# Altium PCB mother_board.PcbDoc (part 4 of 5)
Units mil, origin at the board's own origin, x right, y up, seen from the top; angles counter-clockwise.
Board outline 5337.7 x 2972.67 mil, 2 copper layers (Top Layer, Bottom Layer); 94 components, 123 nets, 375 pads, 276 vias.
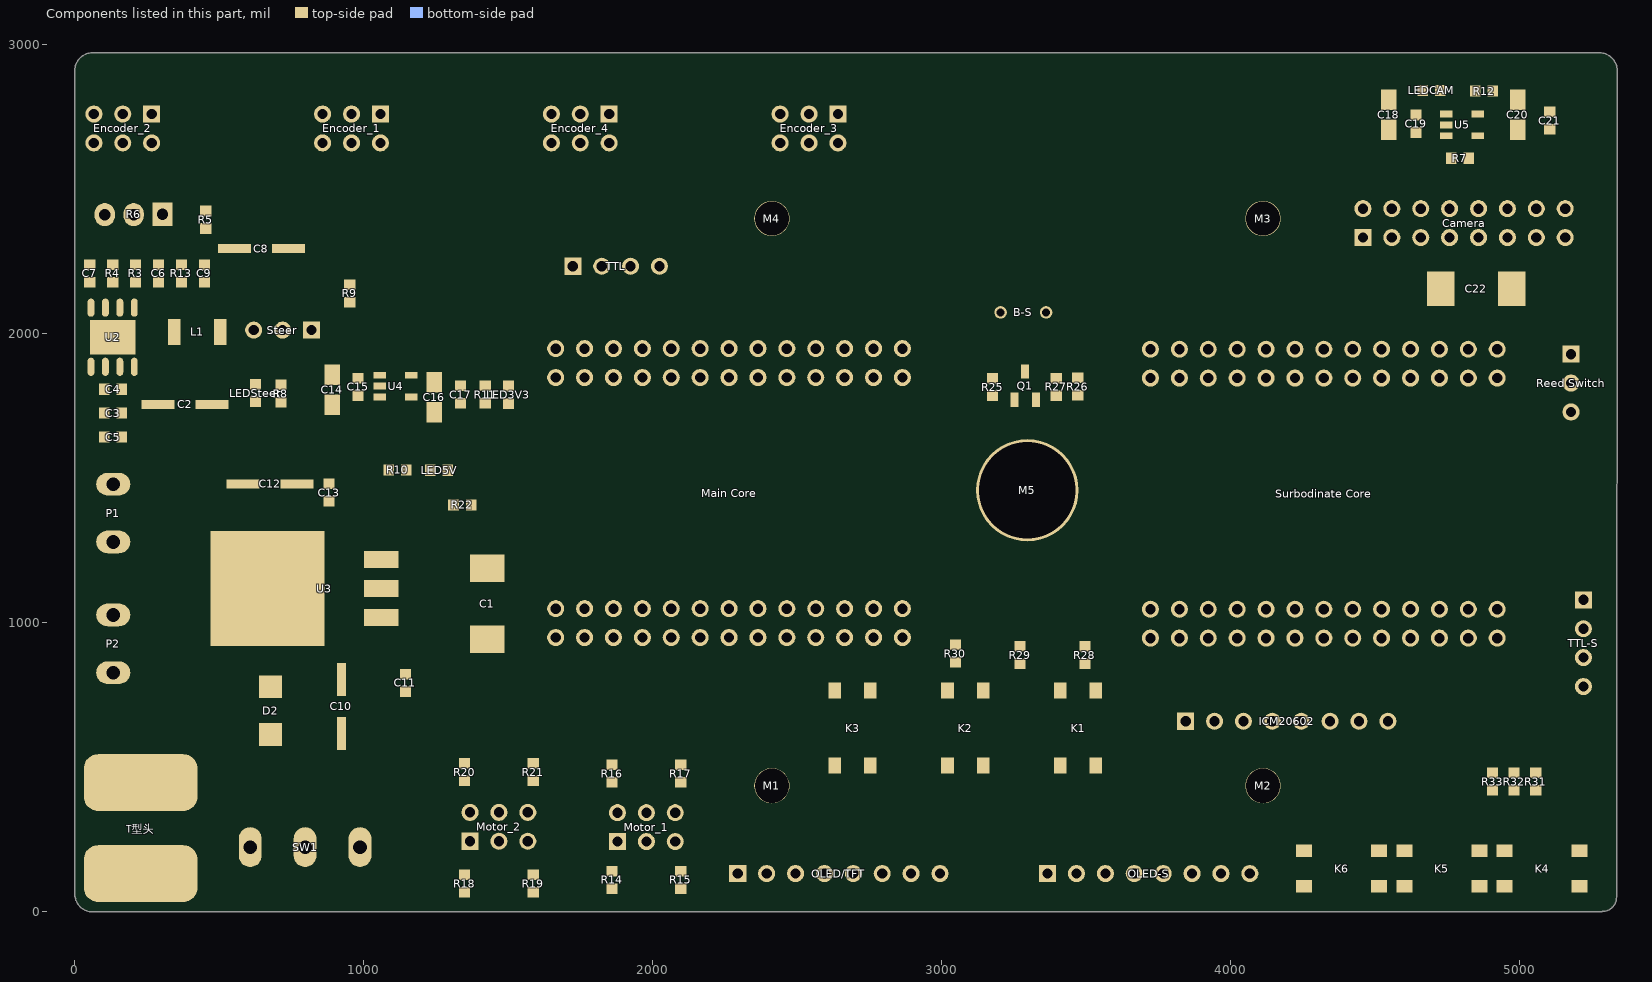
[diagram p4: the components of this part, seen from the top]

## Via types
v1: diameter 22, hole 12, Top Layer to Bottom Layer, tented both sides, 274 vias
v2: diameter 22, hole 12, Top Layer to Bottom Layer, 2 vias

## Nets (pads, with @x,y where several pads share a name; then routed paths per layer and width w, separated by ;. In a path a pad name is that pad's centre, name@x,y a point inside that pad or via, vN(x,y) a via of type N, cw(c..) or ccw(c..) an arc to the next point about the centre after c; other vN are vias at no path point) (continued)
copper on no net: (continued)
  Top Layer w1.05: 3481.1,2544.6 3483.2,2544.6 ; 3481.1,2545.65 3485.3,2545.65 ; 3482.15,2480.55 3489.5,2480.55 ; 3482.15,2481.6 3486.35,2481.6 ; 3482.15,2546.7 3486.35,2546.7 ; 3483.2,2600.25 3567.2,2600.25 ; 3483.2,2601.3 3566.15,2601.3 ; 3484.25,2547.75 3488.45,2547.75 ; 3484.25,2599.2 3567.2,2599.2 ; 3485.3,2548.8 3490.55,2548.8 ; 3487.4,2549.85 3492.65,2549.85 ; 3488.45,2470.05 3492.65,2470.05 ; 3488.45,2550.9 3494.75,2550.9 ; 3489.5,2467.95 3493.7,2467.95 ; 3489.5,2469 3493.7,2469 ; 3490.55,2445.9 3501.05,2445.9 ; 3490.55,2464.8 3495.8,2464.8 ; 3490.55,2465.85 3495.8,2465.85 ; 3490.55,2466.9 3494.75,2466.9 ; 3490.55,2551.95 3495.8,2551.95 ; 3491.6,2446.95 3500,2446.95 ; 3491.6,2448 3498.95,2448 ; 3491.6,2462.7 3497.9,2462.7 ; 3491.6,2463.75 3496.85,2463.75 ; 3491.6,2553 3497.9,2553 ; 3492.65,2449.05 3496.85,2449.05 ; 3492.65,2460.6 3500,2460.6 ; 3492.65,2461.65 3498.95,2461.65 ; 3492.65,2554.05 3498.95,2554.05 ; 3493.7,2450.1 3495.8,2450.1 ; 3493.7,2458.5 3502.1,2458.5 ; 3493.7,2459.55 3501.05,2459.55 ; 3493.7,2555.1 3501.05,2555.1 ; 3494.75,2457.45 3503.15,2457.45 ; 3495.8,2455.35 3505.25,2455.35 ; 3495.8,2456.4 3504.2,2456.4 ; 3495.8,2556.15 3503.15,2556.15 ; 3496.85,2431.2 3506.3,2431.2 ; 3496.85,2454.3 3506.3,2454.3 ; 3496.85,2557.2 3504.2,2557.2 ; 3497.9,2396.55 3502.1,2396.55 ; 3497.9,2397.6 3504.2,2397.6 ; 3497.9,2398.65 3506.3,2398.65 ; 3497.9,2399.7 3506.3,2399.7 ; 3497.9,2400.75 3506.3,2400.75 ; 3497.9,2401.8 3506.3,2401.8 ; 3497.9,2402.85 3506.3,2402.85 ; 3497.9,2403.9 3506.3,2403.9 ; 3497.9,2404.95 3506.3,2404.95 ; 3497.9,2409.15 3506.3,2409.15 ; 3497.9,2410.2 3506.3,2410.2 ; 3497.9,2411.25 3506.3,2411.25 ; 3497.9,2412.3 3506.3,2412.3 ; 3497.9,2413.35 3506.3,2413.35 ; 3497.9,2414.4 3506.3,2414.4 ; 3497.9,2415.45 3506.3,2415.45 ; 3497.9,2416.5 3506.3,2416.5 ; 3497.9,2417.55 3506.3,2417.55 ; 3497.9,2418.6 3506.3,2418.6 ; 3497.9,2419.65 3506.3,2419.65 ; 3497.9,2420.7 3506.3,2420.7 ; 3497.9,2421.75 3506.3,2421.75 ; 3497.9,2422.8 3506.3,2422.8 ; 3497.9,2423.85 3506.3,2423.85 ; 3497.9,2424.9 3506.3,2424.9 ; 3497.9,2425.95 3506.3,2425.95 ; 3497.9,2427 3508.4,2427 ; 3497.9,2432.25 3505.25,2432.25 ; 3497.9,2433.3 3503.15,2433.3 ; 3497.9,2453.25 3508.4,2453.25 ; 3497.9,2558.25 3505.25,2558.25 ; 3498.95,2434.35 3502.1,2434.35 ; 3498.95,2451.15 3511.55,2451.15 ; 3498.95,2452.2 3509.45,2452.2 ; 3498.95,2559.3 3507.35,2559.3 ; 3500,2450.1 3514.7,2450.1 ; 3500,2560.35 3508.4,2560.35 ; 3501.05,2449.05 3517.85,2449.05 ; 3501.05,2561.4 3509.45,2561.4 ; 3502.1,2448 3519.95,2448 ; 3502.1,2562.45 3510.5,2562.45 ; 3503.15,2446.95 3519.95,2446.95 ; 3503.15,2563.5 3512.6,2563.5 ; 3504.2,2445.9 3517.85,2445.9 ; 3504.2,2564.55 3513.65,2564.55 ; 3505.25,2444.85 3514.7,2444.85 ; 3505.25,2565.6 3514.7,2565.6 ; 3506.3,2443.8 3513.65,2443.8 ; 3506.3,2566.65 3514.7,2566.65 ; 3507.35,2442.75 3512.6,2442.75 ; 3507.35,2567.7 3515.75,2567.7 ; 3508.4,2568.75 3516.8,2568.75 ; 3508.4,2569.8 3517.85,2569.8 ; 3509.45,2441.7 3512.6,2441.7 ; 3509.45,2570.85 3517.85,2570.85 ; 3509.45,2571.9 3518.9,2571.9 ; 3510.5,2572.95 3518.9,2572.95 ; 3511.55,2574 3519.95,2574 ; 3511.55,2575.05 3519.95,2575.05 ; 3511.55,2576.1 3521,2576.1 ; 3512.6,2577.15 3521,2577.15 ; 3512.6,2578.2 3522.05,2578.2 ; 3513.65,2579.25 3522.05,2579.25 ; 3513.65,2580.3 3522.05,2580.3 ; 3513.65,2581.35 3523.1,2581.35 ; 3514.7,2582.4 3523.1,2582.4 ; 3514.7,2583.45 3523.1,2583.45 ; 3514.7,2584.5 3523.1,2584.5 ; 3514.7,2585.55 3524.15,2585.55 ; 3515.75,2586.6 3524.15,2586.6 ; 3515.75,2587.65 3524.15,2587.65 ; 3515.75,2588.7 3524.15,2588.7 ; 3515.75,2589.75 3524.15,2589.75 ; 3515.75,2590.8 3525.2,2590.8 ; 3516.8,2591.85 3525.2,2591.85 ; 3516.8,2592.9 3525.2,2592.9 ; 3516.8,2593.95 3525.2,2593.95 ; 3516.8,2595 3525.2,2595 ; 3516.8,2596.05 3525.2,2596.05 ; 3516.8,2597.1 3525.2,2597.1 ; 3516.8,2598.15 3525.2,2598.15 ; 3516.8,2602.35 3526.25,2602.35 ; 3516.8,2626.5 3529.4,2626.5 ; 3516.8,2627.55 3530.45,2627.55 ; 3516.8,2628.6 3529.4,2628.6 ; 3516.8,2629.65 3526.25,2629.65 ; 3516.8,2630.7 3522.05,2630.7 ; 3517.85,2603.4 3526.25,2603.4 ; 3517.85,2604.45 3526.25,2604.45 ; 3517.85,2605.5 3526.25,2605.5 ; 3517.85,2606.55 3526.25,2606.55 ; 3517.85,2607.6 3526.25,2607.6 ; 3517.85,2608.65 3526.25,2608.65 ; 3517.85,2609.7 3526.25,2609.7 ; 3517.85,2610.75 3526.25,2610.75 ; 3517.85,2611.8 3526.25,2611.8 ; 3517.85,2612.85 3526.25,2612.85 ; 3517.85,2613.9 3526.25,2613.9 ; 3517.85,2614.95 3526.25,2614.95 ; 3517.85,2616 3526.25,2616 ; 3517.85,2617.05 3526.25,2617.05 ; 3517.85,2618.1 3526.25,2618.1 ; 3517.85,2619.15 3526.25,2619.15 ; 3517.85,2620.2 3526.25,2620.2 ; 3517.85,2621.25 3526.25,2621.25 ; 3517.85,2622.3 3526.25,2622.3 ; 3517.85,2623.35 3527.3,2623.35 ; 3517.85,2624.4 3527.3,2624.4 ; 3517.85,2625.45 3528.35,2625.45 ; 3526.25,2407.05 3613.4,2407.05 ; 3527.3,2406 3614.45,2406 ; 3528.35,2404.95 3614.45,2404.95 ; 3528.35,2592.9 3532.55,2592.9 ; 3528.35,2593.95 3531.5,2593.95 ; 3528.35,2595 3531.5,2595 ; 3528.35,2596.05 3531.5,2596.05 ; 3528.35,2597.1 3530.45,2597.1 ; 3528.35,2598.15 3530.45,2598.15 ; 3529.4,2587.65 3533.6,2587.65 ; 3529.4,2588.7 3533.6,2588.7 ; 3529.4,2589.75 3533.6,2589.75 ; 3529.4,2590.8 3532.55,2590.8 ; 3529.4,2591.85 3532.55,2591.85 ; 3530.45,2582.4 3535.7,2582.4 ; 3530.45,2583.45 3535.7,2583.45 ; 3530.45,2584.5 3535.7,2584.5 ; 3530.45,2585.55 3534.65,2585.55 ; 3530.45,2586.6 3534.65,2586.6 ; 3531.5,2579.25 3537.8,2579.25 ; 3531.5,2580.3 3536.75,2580.3 ; 3531.5,2581.35 3536.75,2581.35 ; 3532.55,2576.1 3539.9,2576.1 ; 3532.55,2577.15 3538.85,2577.15 ; 3532.55,2578.2 3537.8,2578.2 ; 3533.6,2467.95 3608.15,2467.95 ; 3533.6,2574 3540.95,2574 ; 3533.6,2575.05 3539.9,2575.05 ; 3534.65,2466.9 3609.2,2466.9 ; 3534.65,2570.85 3543.05,2570.85 ; 3534.65,2571.9 3542,2571.9 ; 3534.65,2572.95 3542,2572.95 ; 3535.7,2465.85 3609.2,2465.85 ; 3535.7,2568.75 3545.15,2568.75 ; 3535.7,2569.8 3544.1,2569.8 ; 3536.75,2566.65 3547.25,2566.65 ; 3536.75,2567.7 3546.2,2567.7 ; 3537.8,2565.6 3548.3,2565.6 ; 3538.85,2563.5 3550.4,2563.5 ; 3538.85,2564.55 3549.35,2564.55 ; 3539.9,2561.4 3553.55,2561.4 ; 3539.9,2562.45 3551.45,2562.45 ; 3540.95,2560.35 3554.6,2560.35 ; 3542,2559.3 3555.65,2559.3 ; 3543.05,2557.2 3558.8,2557.2 ; 3543.05,2558.25 3557.75,2558.25 ; 3544.1,2556.15 3560.9,2556.15 ; 3545.15,2555.1 3563,2555.1 ; 3546.2,2554.05 3565.1,2554.05 ; 3547.25,2553 3567.2,2553 ; 3548.3,2551.95 3569.3,2551.95 ; 3549.35,2550.9 3569.3,2550.9 ; 3550.4,2549.85 3559.85,2549.85 ; 3551.45,2548.8 3557.75,2548.8 ; 3551.45,2602.35 3565.1,2602.35 ; 3552.5,2547.75 3556.7,2547.75 ; 3552.5,2603.4 3564.05,2603.4 ; 3553.55,2546.7 3554.6,2546.7 ; 3553.55,2604.45 3563,2604.45 ; 3553.55,2605.5 3561.95,2605.5 ; 3554.6,2606.55 3560.9,2606.55 ; 3555.65,2607.6 3559.85,2607.6 ; 3556.7,2608.65 3558.8,2608.65 ; 3565.1,2408.1 3574.55,2408.1 ; 3565.1,2409.15 3574.55,2409.15 ; 3565.1,2410.2 3574.55,2410.2 ; 3565.1,2411.25 3574.55,2411.25 ; 3565.1,2412.3 3574.55,2412.3 ; 3565.1,2413.35 3574.55,2413.35 ; 3565.1,2414.4 3574.55,2414.4 ; 3565.1,2415.45 3574.55,2415.45 ; 3565.1,2416.5 3574.55,2416.5 ; 3565.1,2417.55 3574.55,2417.55 ; 3565.1,2418.6 3574.55,2418.6 ; 3565.1,2419.65 3574.55,2419.65 ; 3565.1,2420.7 3574.55,2420.7 ; 3565.1,2421.75 3574.55,2421.75 ; 3565.1,2422.8 3574.55,2422.8 ; 3565.1,2423.85 3574.55,2423.85 ; 3565.1,2424.9 3574.55,2424.9 ; 3565.1,2425.95 3574.55,2425.95 ; 3565.1,2427 3574.55,2427 ; 3565.1,2428.05 3574.55,2428.05 ; 3565.1,2429.1 3574.55,2429.1 ; 3565.1,2430.15 3574.55,2430.15 ; 3565.1,2431.2 3574.55,2431.2 ; 3565.1,2432.25 3574.55,2432.25 ; 3565.1,2433.3 3574.55,2433.3 ; 3565.1,2434.35 3574.55,2434.35 ; 3565.1,2435.4 3574.55,2435.4 ; 3565.1,2436.45 3574.55,2436.45 ; 3565.1,2437.5 3574.55,2437.5 ; 3565.1,2438.55 3574.55,2438.55 ; 3565.1,2439.6 3574.55,2439.6 ; 3565.1,2440.65 3574.55,2440.65 ; 3565.1,2441.7 3574.55,2441.7 ; 3565.1,2442.75 3574.55,2442.75 ; 3565.1,2443.8 3574.55,2443.8 ; 3565.1,2444.85 3574.55,2444.85 ; 3565.1,2445.9 3574.55,2445.9 ; 3565.1,2446.95 3574.55,2446.95 ; 3565.1,2448 3574.55,2448 ; 3565.1,2449.05 3574.55,2449.05 ; 3565.1,2450.1 3574.55,2450.1 ; 3565.1,2451.15 3574.55,2451.15 ; 3565.1,2452.2 3574.55,2452.2 ; 3565.1,2453.25 3574.55,2453.25 ; 3565.1,2454.3 3574.55,2454.3 ; 3565.1,2455.35 3574.55,2455.35 ; 3565.1,2456.4 3574.55,2456.4 ; 3565.1,2457.45 3574.55,2457.45 ; 3565.1,2458.5 3574.55,2458.5 ; 3565.1,2459.55 3574.55,2459.55 ; 3565.1,2460.6 3574.55,2460.6 ; 3565.1,2461.65 3574.55,2461.65 ; 3565.1,2462.7 3574.55,2462.7 ; 3565.1,2463.75 3574.55,2463.75 ; 3565.1,2464.8 3574.55,2464.8 ; 3577.7,2590.8 3587.15,2590.8 ; 3577.7,2591.85 3588.2,2591.85 ; 3577.7,2592.9 3588.2,2592.9 ; 3578.75,2572.95 3664.85,2572.95 ; 3578.75,2574 3663.8,2574 ; 3578.75,2589.75 3586.1,2589.75 ; 3578.75,2593.95 3589.25,2593.95 ; 3578.75,2595 3589.25,2595 ; 3579.8,2571.9 3663.8,2571.9 ; 3579.8,2596.05 3589.25,2596.05 ; 3580.85,2588.7 3582.95,2588.7 ; 3580.85,2597.1 3589.25,2597.1 ; 3581.9,2598.15 3589.25,2598.15 ; 3582.95,2599.2 3589.25,2599.2 ; 3584,2600.25 3590.3,2600.25 ; 3584,2601.3 3590.3,2601.3 ; 3585.05,2602.35 3590.3,2602.35 ; 3585.05,2603.4 3662.75,2603.4 ; 3586.1,2604.45 3661.7,2604.45 ; 3586.1,2605.5 3660.65,2605.5 ; 3586.1,2606.55 3589.25,2606.55 ; 3586.1,2607.6 3589.25,2607.6 ; 3587.15,2608.65 3589.25,2608.65 ; 3587.15,2609.7 3589.25,2609.7 ; 3587.15,2610.75 3589.25,2610.75 ; 3590.3,2625.45 3596.6,2625.45 ; 3590.3,2626.5 3594.5,2626.5 ; 3590.3,2627.55 3592.4,2627.55 ; 3591.35,2624.4 3597.65,2624.4 ; 3592.4,2469 3607.1,2469 ; 3592.4,2592.9 3648.05,2592.9 ; 3592.4,2623.35 3599.75,2623.35 ; 3593.45,2470.05 3606.05,2470.05 ; 3593.45,2590.8 3645.95,2590.8 ; 3593.45,2591.85 3645.95,2591.85 ; 3593.45,2622.3 3600.8,2622.3 ; 3594.5,2471.1 3605,2471.1 ; 3594.5,2620.2 3603.95,2620.2 ; 3594.5,2621.25 3602.9,2621.25 ; 3595.55,2472.15 3603.95,2472.15 ; 3595.55,2473.2 3601.85,2473.2 ; 3595.55,2618.1 3606.05,2618.1 ; 3595.55,2619.15 3605,2619.15 ; 3596.6,2474.25 3600.8,2474.25 ; 3596.6,2616 3606.05,2616 ; 3596.6,2617.05 3606.05,2617.05 ; 3597.65,2408.1 3612.35,2408.1 ; 3597.65,2409.15 3611.3,2409.15 ; 3597.65,2612.85 3606.05,2612.85 ; 3597.65,2613.9 3606.05,2613.9 ; 3597.65,2614.95 3606.05,2614.95 ; 3598.7,2410.2 3610.25,2410.2 ; 3598.7,2610.75 3605,2610.75 ; 3598.7,2611.8 3606.05,2611.8 ; 3599.75,2411.25 3609.2,2411.25 ; 3599.75,2412.3 3608.15,2412.3 ; 3599.75,2554.05 3624.95,2554.05 ; 3599.75,2555.1 3605,2555.1 ; 3599.75,2608.65 3603.95,2608.65 ; 3599.75,2609.7 3605,2609.7 ; 3600.8,2413.35 3606.05,2413.35 ; 3601.85,2414.4 3605,2414.4 ; 3602.9,2553 3624.95,2553 ; 3605,2551.95 3624.95,2551.95 ; 3607.1,2550.9 3623.9,2550.9 ; 3609.2,2549.85 3623.9,2549.85 ; 3610.25,2547.75 3621.8,2547.75 ; 3610.25,2548.8 3622.85,2548.8 ; 3611.3,2544.6 3614.45,2544.6 ; 3611.3,2545.65 3617.6,2545.65 ; 3611.3,2546.7 3619.7,2546.7 ; 3612.35,2628.6 3616.55,2628.6 ; 3612.35,2629.65 3615.5,2629.65 ; 3612.35,2630.7 3614.45,2630.7 ; 3613.4,2627.55 3617.6,2627.55 ; 3614.45,2555.1 3624.95,2555.1 ; 3614.45,2625.45 3620.75,2625.45 ; 3614.45,2626.5 3619.7,2626.5 ; 3615.5,2556.15 3624.95,2556.15 ; 3615.5,2622.3 3623.9,2622.3 ; 3615.5,2623.35 3622.85,2623.35 ; 3615.5,2624.4 3621.8,2624.4 ; 3616.55,2557.2 3624.95,2557.2 ; 3616.55,2558.25 3624.95,2558.25 ; 3616.55,2559.3 3624.95,2559.3 ; 3616.55,2560.35 3624.95,2560.35 ; 3616.55,2561.4 3624.95,2561.4 ; 3616.55,2562.45 3624.95,2562.45 ; 3616.55,2563.5 3624.95,2563.5 ; 3616.55,2564.55 3624.95,2564.55 ; 3616.55,2565.6 3624.95,2565.6 ; 3616.55,2566.65 3624.95,2566.65 ; 3616.55,2567.7 3624.95,2567.7 ; 3616.55,2568.75 3624.95,2568.75 ; 3616.55,2569.8 3624.95,2569.8 ; 3616.55,2570.85 3624.95,2570.85 ; 3616.55,2575.05 3624.95,2575.05 ; 3616.55,2576.1 3624.95,2576.1 ; 3616.55,2577.15 3624.95,2577.15 ; 3616.55,2578.2 3624.95,2578.2 ; 3616.55,2579.25 3624.95,2579.25 ; 3616.55,2580.3 3626,2580.3 ; 3616.55,2581.35 3627.05,2581.35 ; 3616.55,2582.4 3620.75,2582.4 ; 3616.55,2619.15 3626,2619.15 ; 3616.55,2620.2 3624.95,2620.2 ; 3616.55,2621.25 3624.95,2621.25 ; 3617.6,2613.9 3626,2613.9 ; 3617.6,2614.95 3627.05,2614.95 ; 3617.6,2616 3627.05,2616 ; 3617.6,2617.05 3626,2617.05 ; 3617.6,2618.1 3626,2618.1 ; 3618.65,2609.7 3623.9,2609.7 ; 3618.65,2610.75 3624.95,2610.75 ; 3618.65,2611.8 3626,2611.8 ; 3618.65,2612.85 3626,2612.85 ; 3619.7,2608.65 3622.85,2608.65 ; 3621.8,2425.95 3639.65,2425.95 ; 3622.85,2424.9 3639.65,2424.9 ; 3623.9,2455.35 3630.2,2455.35 ; 3623.9,2456.4 3628.1,2456.4 ; 3623.9,2457.45 3624.95,2457.45 ; 3623.9,2582.4 3629.15,2582.4 ; 3624.95,2454.3 3632.3,2454.3 ; 3624.95,2583.45 3631.25,2583.45 ; 3626,2453.25 3633.35,2453.25 ; 3626,2584.5 3633.35,2584.5 ; 3627.05,2423.85 3639.65,2423.85 ; 3627.05,2451.15 3636.5,2451.15 ; 3627.05,2452.2 3635.45,2452.2 ; 3627.05,2585.55 3635.45,2585.55 ; 3628.1,2449.05 3637.55,2449.05 ; 3628.1,2450.1 3637.55,2450.1 ; 3628.1,2586.6 3638.6,2586.6 ; 3629.15,2422.8 3639.65,2422.8 ; 3629.15,2445.9 3638.6,2445.9 ; 3629.15,2446.95 3638.6,2446.95 ; 3629.15,2448 3638.6,2448 ; 3629.15,2587.65 3647,2587.65 ; 3630.2,2399.7 3640.7,2399.7 ; 3630.2,2400.75 3640.7,2400.75 ; 3630.2,2401.8 3640.7,2401.8 ; 3630.2,2402.85 3640.7,2402.85 ; 3630.2,2403.9 3640.7,2403.9 ; 3630.2,2404.95 3640.7,2404.95 ; 3630.2,2406 3640.7,2406 ; 3630.2,2421.75 3639.65,2421.75 ; 3630.2,2442.75 3637.55,2442.75 ; 3630.2,2443.8 3637.55,2443.8 ; 3630.2,2444.85 3638.6,2444.85 ; 3630.2,2479.5 3637.55,2479.5 ; 3630.2,2480.55 3635.45,2480.55 ; 3630.2,2588.7 3647,2588.7 ; 3630.2,2606.55 3634.4,2606.55 ; 3631.25,2398.65 3639.65,2398.65 ; 3631.25,2407.05 3639.65,2407.05 ; 3631.25,2408.1 3639.65,2408.1 ; 3631.25,2409.15 3639.65,2409.15 ; 3631.25,2410.2 3639.65,2410.2 ; 3631.25,2411.25 3639.65,2411.25 ; 3631.25,2412.3 3639.65,2412.3 ; 3631.25,2413.35 3639.65,2413.35 ; 3631.25,2414.4 3639.65,2414.4 ; 3631.25,2415.45 3639.65,2415.45 ; 3631.25,2416.5 3638.6,2416.5 ; 3631.25,2417.55 3638.6,2417.55 ; 3631.25,2418.6 3638.6,2418.6 ; 3631.25,2419.65 3638.6,2419.65 ; 3631.25,2420.7 3638.6,2420.7 ; 3631.25,2427 3639.65,2427 ; 3631.25,2440.65 3635.45,2440.65 ; 3631.25,2441.7 3636.5,2441.7 ; 3631.25,2478.45 3640.7,2478.45 ; 3631.25,2589.75 3647,2589.75 ; 3631.25,2607.6 3635.45,2607.6 ; 3631.25,2608.65 3636.5,2608.65 ; 3632.3,2397.6 3639.65,2397.6 ; 3632.3,2439.6 3634.4,2439.6 ; 3632.3,2477.4 3641.75,2477.4 ; 3632.3,2609.7 3636.5,2609.7 ; 3632.3,2610.75 3637.55,2610.75 ; 3633.35,2428.05 3640.7,2428.05 ; 3633.35,2476.35 3643.85,2476.35 ; 3633.35,2593.95 3641.75,2593.95 ; 3633.35,2611.8 3638.6,2611.8 ; 3633.35,2612.85 3639.65,2612.85 ; 3634.4,2429.1 3640.7,2429.1 ; 3634.4,2430.15 3640.7,2430.15 ; 3634.4,2474.25 3645.95,2474.25 ; 3634.4,2475.3 3644.9,2475.3 ; 3634.4,2595 3640.7,2595 ; 3634.4,2613.9 3640.7,2613.9 ; 3634.4,2614.95 3641.75,2614.95 ; 3634.4,2616 3641.75,2616 ; 3635.45,2396.55 3638.6,2396.55 ; 3635.45,2431.2 3640.7,2431.2 ; 3635.45,2432.25 3641.75,2432.25 ; 3635.45,2472.15 3645.95,2472.15 ; 3635.45,2473.2 3645.95,2473.2 ; 3635.45,2617.05 3642.8,2617.05 ; 3635.45,2618.1 3643.85,2618.1 ; 3636.5,2433.3 3641.75,2433.3 ; 3636.5,2434.35 3641.75,2434.35 ; 3636.5,2470.05 3645.95,2470.05 ; 3636.5,2471.1 3645.95,2471.1 ; 3636.5,2596.05 3639.65,2596.05 ; 3636.5,2619.15 3644.9,2619.15 ; 3636.5,2620.2 3645.95,2620.2 ; 3636.5,2621.25 3647,2621.25 ; 3637.55,2435.4 3642.8,2435.4 ; 3637.55,2436.45 3642.8,2436.45 ; 3637.55,2437.5 3642.8,2437.5 ; 3637.55,2467.95 3645.95,2467.95 ; 3637.55,2469 3645.95,2469 ; 3637.55,2622.3 3649.1,2622.3 ; 3637.55,2623.35 3650.15,2623.35 ; 3637.55,2624.4 3650.15,2624.4 ; 3638.6,2438.55 3643.85,2438.55 ; 3638.6,2439.6 3643.85,2439.6 ; 3638.6,2464.8 3643.85,2464.8 ; 3638.6,2465.85 3644.9,2465.85 ; 3638.6,2466.9 3644.9,2466.9 ; 3638.6,2625.45 3648.05,2625.45 ; 3638.6,2626.5 3647,2626.5 ; 3639.65,2440.65 3643.85,2440.65 ; 3639.65,2441.7 3643.85,2441.7 ; 3639.65,2463.75 3642.8,2463.75 ; 3639.65,2627.55 3644.9,2627.55 ; 3639.65,2628.6 3643.85,2628.6 ; 3639.65,2629.65 3641.75,2629.65 ; 3640.7,2442.75 3644.9,2442.75 ; 3640.7,2443.8 3644.9,2443.8 ; 3641.75,2399.7 3644.9,2399.7 ; 3641.75,2444.85 3644.9,2444.85 ; 3641.75,2445.9 3645.95,2445.9 ; 3642.8,2400.75 3647,2400.75 ; 3642.8,2446.95 3645.95,2446.95 ; 3642.8,2448 3645.95,2448 ; 3642.8,2449.05 3645.95,2449.05 ; 3643.85,2401.8 3648.05,2401.8 ; 3643.85,2450.1 3647,2450.1 ; 3643.85,2451.15 3647,2451.15 ; 3644.9,2402.85 3650.15,2402.85 ; 3644.9,2452.2 3647,2452.2 ; 3644.9,2453.25 3648.05,2453.25 ; 3644.9,2593.95 3649.1,2593.95 ; 3645.95,2403.9 3651.2,2403.9 ; 3645.95,2454.3 3648.05,2454.3 ; 3645.95,2455.35 3648.05,2455.35 ; 3645.95,2595 3650.15,2595 ; 3645.95,2596.05 3651.2,2596.05 ; 3647,2404.95 3653.3,2404.95 ; 3647,2456.4 3649.1,2456.4 ; 3647,2457.45 3649.1,2457.45 ; 3647,2597.1 3653.3,2597.1 ; 3648.05,2406 3654.35,2406 ; 3648.05,2435.4 3707.9,2435.4 ; 3648.05,2575.05 3662.75,2575.05 ; 3648.05,2598.15 3654.35,2598.15 ; 3648.05,2599.2 3656.45,2599.2 ; 3649.1,2407.05 3655.4,2407.05 ; 3649.1,2433.3 3707.9,2433.3 ; 3649.1,2434.35 3707.9,2434.35 ; 3649.1,2440.65 3651.2,2440.65 ; 3649.1,2441.7 3652.25,2441.7 ; 3649.1,2459.55 3658.55,2459.55 ; 3649.1,2460.6 3659.6,2460.6 ; 3649.1,2461.65 3659.6,2461.65 ; 3649.1,2462.7 3660.65,2462.7 ; 3649.1,2576.1 3661.7,2576.1 ; 3649.1,2577.15 3660.65,2577.15 ; 3649.1,2600.25 3661.7,2600.25 ; 3650.15,2408.1 3657.5,2408.1 ; 3650.15,2442.75 3654.35,2442.75 ; 3650.15,2458.5 3656.45,2458.5 ; 3650.15,2463.75 3660.65,2463.75 ; 3650.15,2578.2 3659.6,2578.2 ; 3650.15,2601.3 3662.75,2601.3 ; 3650.15,2602.35 3662.75,2602.35 ; 3650.15,2606.55 3659.6,2606.55 ; 3651.2,2409.15 3658.55,2409.15 ; 3651.2,2443.8 3655.4,2443.8 ; 3651.2,2464.8 3660.65,2464.8 ; 3651.2,2579.25 3658.55,2579.25 ; 3651.2,2580.3 3657.5,2580.3 ; 3651.2,2607.6 3657.5,2607.6 ; 3651.2,2608.65 3656.45,2608.65 ; 3652.25,2410.2 3659.6,2410.2 ; 3652.25,2444.85 3657.5,2444.85 ; 3652.25,2465.85 3660.65,2465.85 ; 3652.25,2581.35 3656.45,2581.35 ; 3652.25,2609.7 3655.4,2609.7 ; 3653.3,2411.25 3660.65,2411.25 ; 3653.3,2445.9 3658.55,2445.9 ; 3653.3,2466.9 3660.65,2466.9 ; 3653.3,2582.4 3654.35,2582.4 ; 3654.35,2412.3 3661.7,2412.3 ; 3654.35,2446.95 3659.6,2446.95 ; 3654.35,2467.95 3660.65,2467.95 ; 3654.35,2469 3660.65,2469 ; 3655.4,2413.35 3662.75,2413.35 ; 3655.4,2448 3661.7,2448 ; 3655.4,2470.05 3660.65,2470.05 ; 3655.4,2471.1 3660.65,2471.1 ; 3656.45,2414.4 3663.8,2414.4 ; 3656.45,2449.05 3662.75,2449.05 ; 3656.45,2472.15 3708.95,2472.15 ; 3656.45,2473.2 3708.95,2473.2 ; 3657.5,2415.45 3664.85,2415.45 ; 3657.5,2450.1 3663.8,2450.1 ; 3657.5,2451.15 3664.85,2451.15 ; 3657.5,2474.25 3707.9,2474.25 ; 3657.5,2475.3 3660.65,2475.3 ; 3657.5,2476.35 3660.65,2476.35 ; 3657.5,2477.4 3660.65,2477.4 ; 3658.55,2416.5 3665.9,2416.5 ; 3658.55,2417.55 3666.95,2417.55 ; 3658.55,2452.2 3666.95,2452.2 ; 3658.55,2478.45 3660.65,2478.45 ; 3658.55,2479.5 3660.65,2479.5 ; 3659.6,2418.6 3668,2418.6 ; 3659.6,2453.25 3668,2453.25 ; 3660.65,2419.65 3668,2419.65 ; 3660.65,2454.3 3669.05,2454.3 ; 3660.65,2455.35 3670.1,2455.35 ; 3661.7,2420.7 3669.05,2420.7 ; 3661.7,2421.75 3670.1,2421.75 ; 3661.7,2456.4 3671.15,2456.4 ; 3662.75,2422.8 3671.15,2422.8 ; 3662.75,2457.45 3672.2,2457.45 ; 3662.75,2458.5 3673.25,2458.5 ; 3663.8,2423.85 3671.15,2423.85 ; 3663.8,2459.55 3677.45,2459.55 ; 3664.85,2424.9 3680.6,2424.9 ; 3664.85,2425.95 3680.6,2425.95 ; 3664.85,2460.6 3677.45,2460.6 ; 3664.85,2461.65 3676.4,2461.65 ; 3665.9,2427 3680.6,2427 ; 3665.9,2462.7 3674.3,2462.7 ; 3665.9,2463.75 3673.25,2463.75 ; 3666.95,2428.05 3680.6,2428.05 ; 3666.95,2429.1 3680.6,2429.1 ; 3666.95,2464.8 3671.15,2464.8 ; 3666.95,2465.85 3670.1,2465.85 ; 3668,2430.15 3680.6,2430.15 ; 3668,2431.2 3680.6,2431.2 ; 3669.05,2432.25 3680.6,2432.25 ; 3672.2,2395.5 3675.35,2395.5 ; 3672.2,2396.55 3678.5,2396.55 ; 3672.2,2397.6 3680.6,2397.6 ; 3672.2,2398.65 3680.6,2398.65 ; 3672.2,2399.7 3680.6,2399.7 ; 3672.2,2400.75 3680.6,2400.75 ; 3672.2,2401.8 3680.6,2401.8 ; 3672.2,2402.85 3680.6,2402.85 ; 3672.2,2403.9 3680.6,2403.9 ; 3672.2,2404.95 3680.6,2404.95 ; 3672.2,2406 3680.6,2406 ; 3672.2,2407.05 3680.6,2407.05 ; 3672.2,2408.1 3680.6,2408.1 ; 3672.2,2409.15 3680.6,2409.15 ; 3672.2,2410.2 3680.6,2410.2 ; 3672.2,2411.25 3680.6,2411.25 ; 3672.2,2412.3 3680.6,2412.3 ; 3672.2,2413.35 